# Altium PCB PCB1.PcbDoc
Units mm, origin at the board's own origin, x right, y up, seen from the top; angles counter-clockwise.
Board outline 73.81 x 86.51 mm, 2 copper layers (Top Layer, Bottom Layer); 88 components, 137 nets, 477 pads, 306 vias.
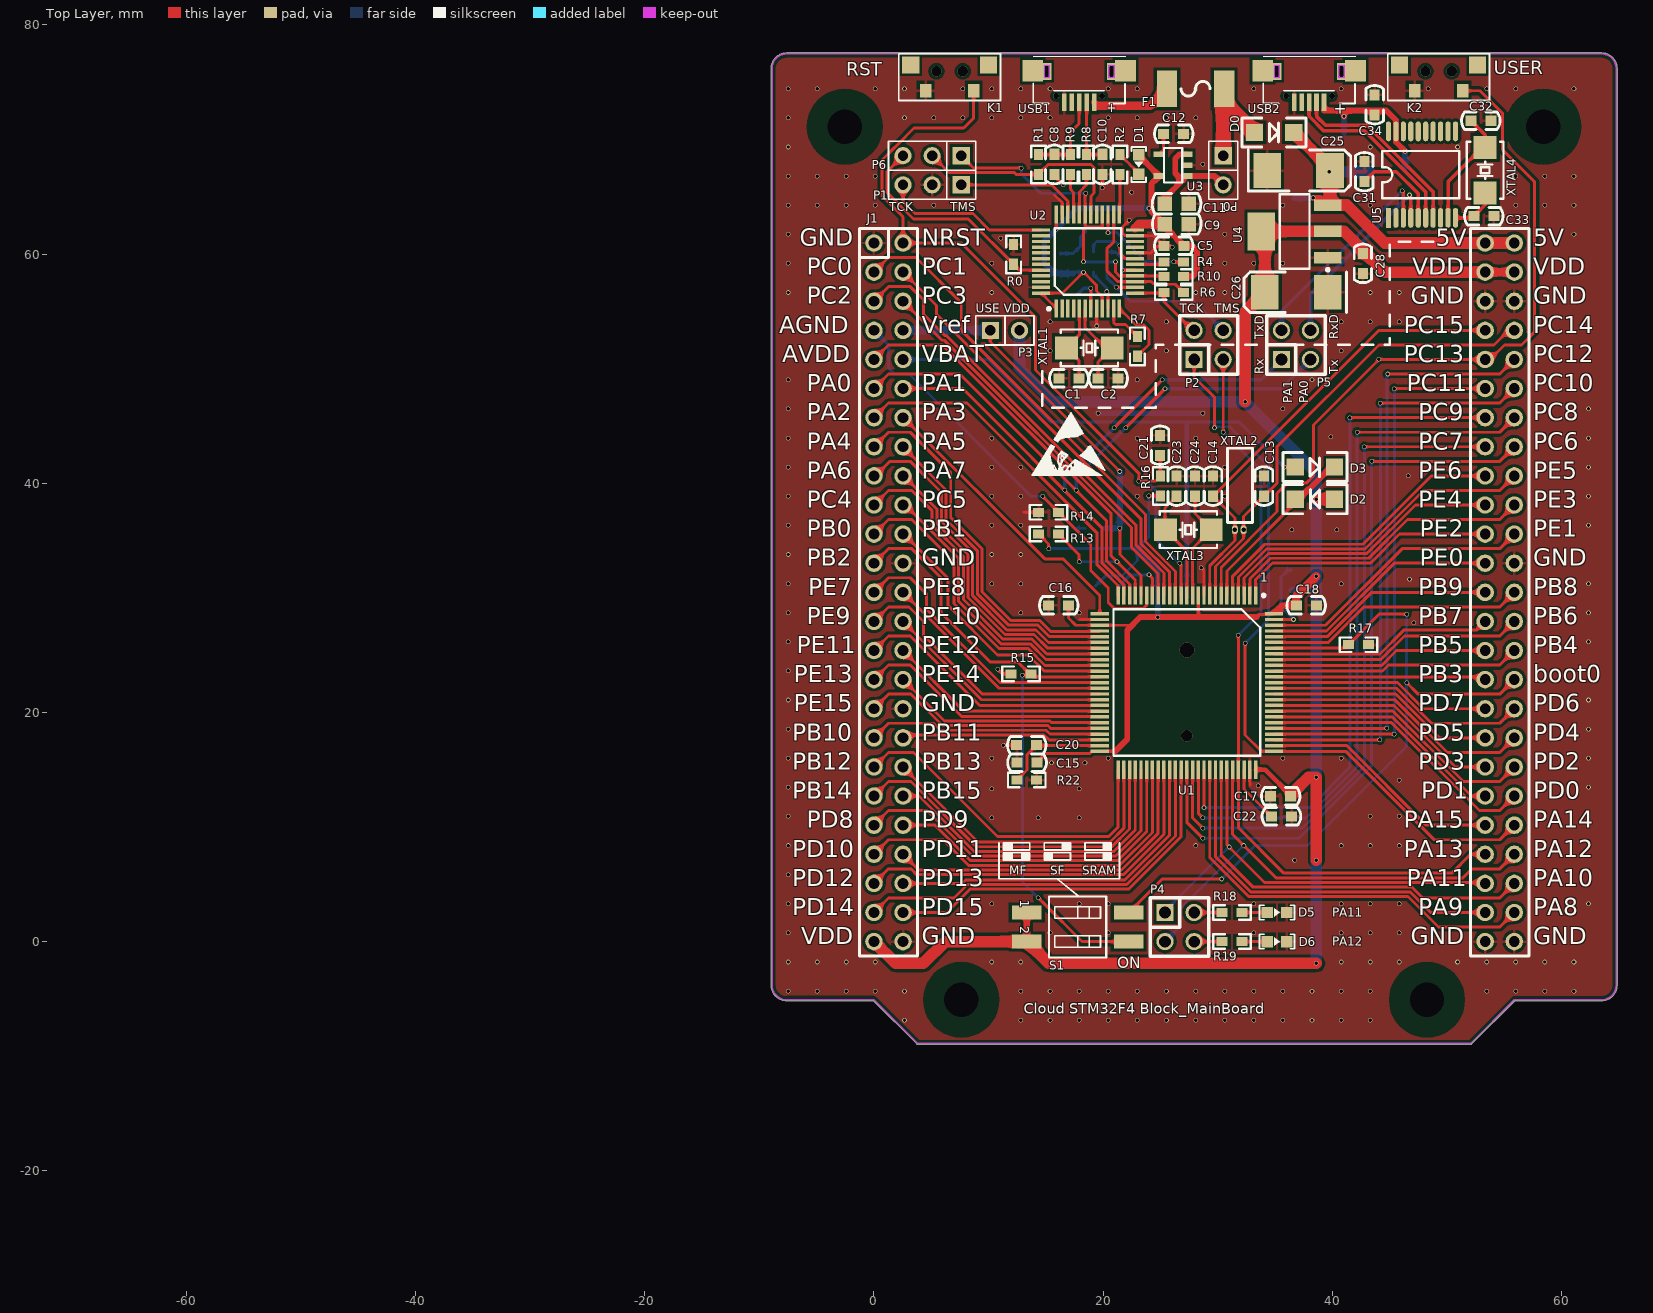
[diagram p0: Top Layer view]
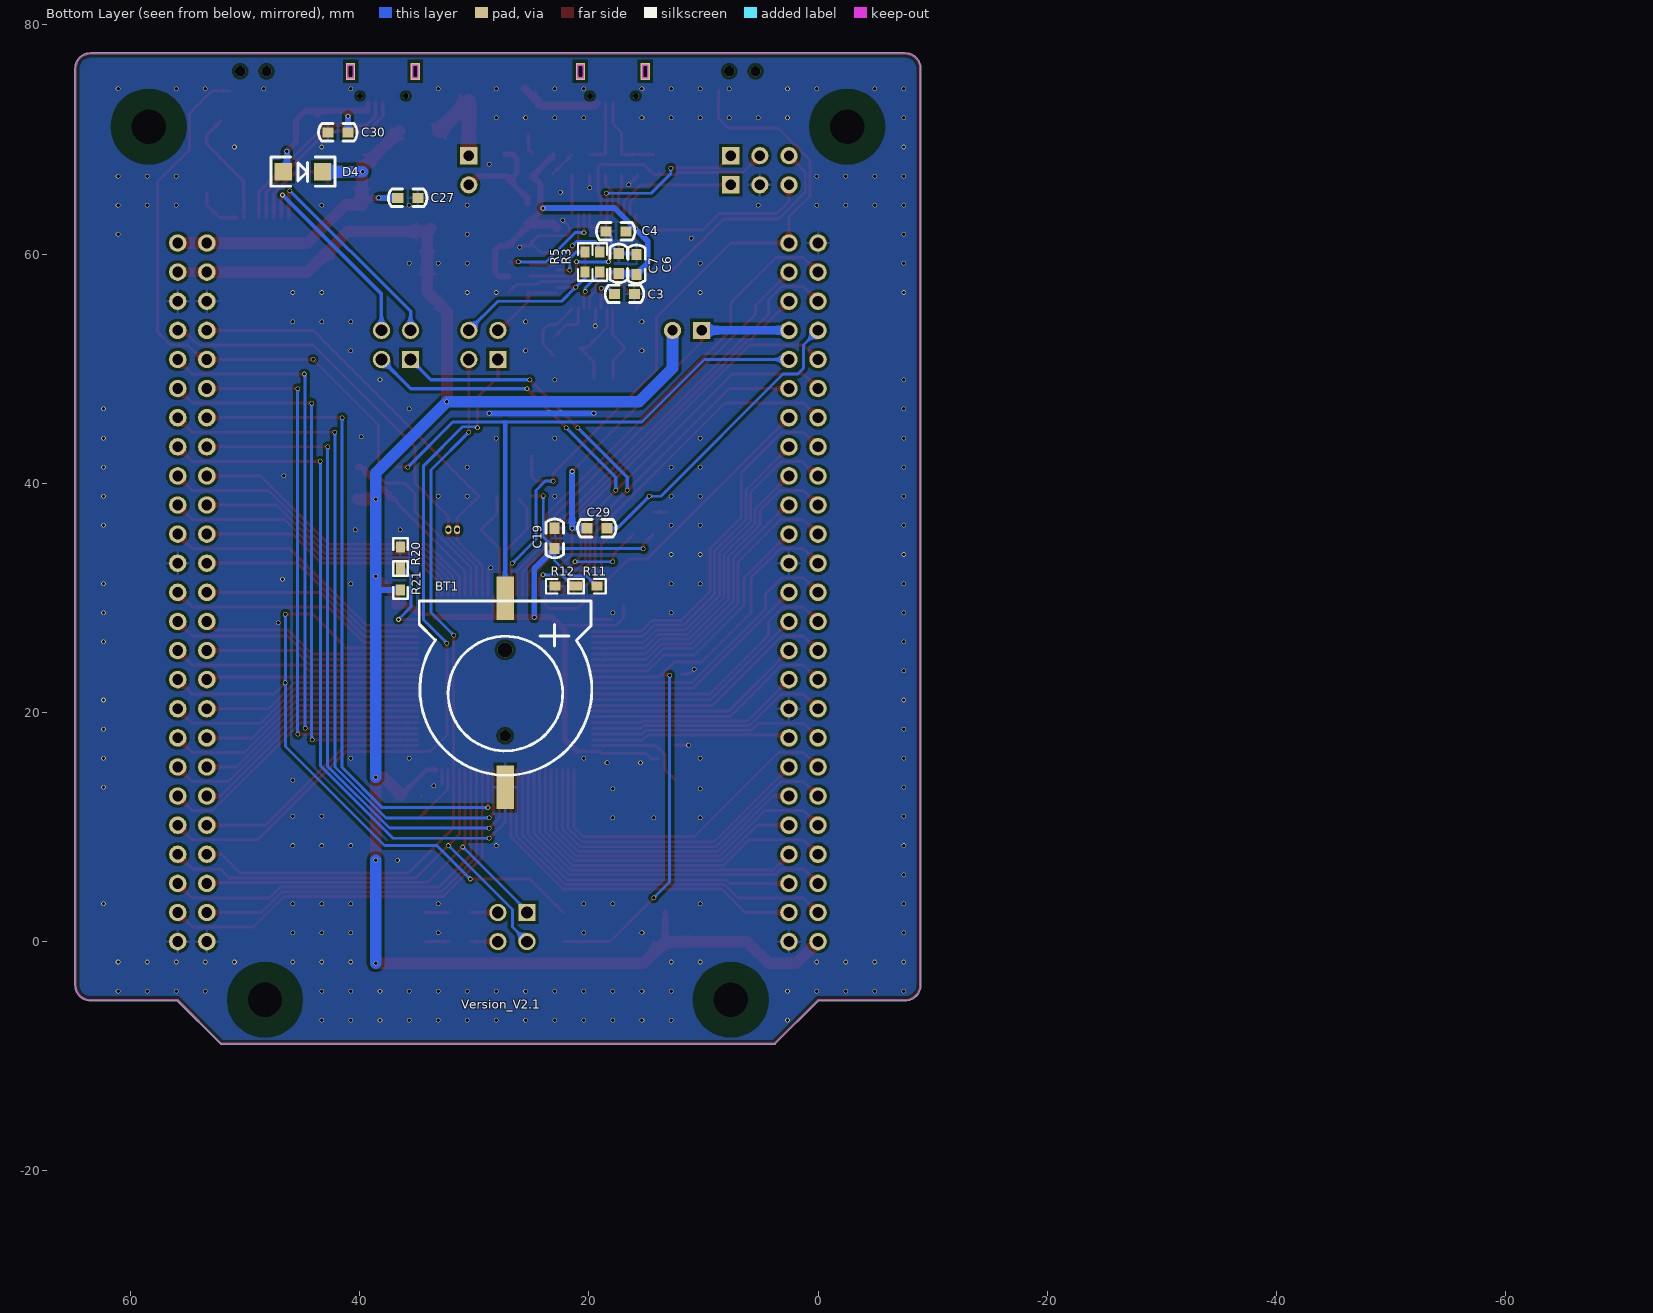
[diagram p1: Bottom Layer view, seen from below]

## Layer stack, top to bottom
Top Solder: solder mask 0.0102, Solder Resist, Dk 3.5
Top Layer: signal copper 0.0356
Dielectric 1: dielectric 0.32, FR-4, Dk 4.8
Bottom Layer: signal copper 0.0356
Bottom Solder: solder mask 0.0102, Solder Resist, Dk 3.5

## Board outline
-8.967,-3.811 cw(c-7.62,-3.81) -8.967,-3.81 cw(c-8.89,-3.81) -8.967,-3.81 -8.967,76.2 cw(c-7.62,76.2) -7.621,77.547 cw(c-7.62,77.47) -7.62,77.547 63.5,77.547 cw(c63.5,76.2) 64.847,76.202 cw(c63.5,76.2) 64.847,76.2 ccw(c64.77,76.2) 64.847,76.202 64.847,76.2 64.847,-3.81 cw(c64.77,-3.81) 64.847,-3.812 ccw(c63.5,-3.81) 64.847,-3.81 64.847,-3.812 cw(c63.5,-3.81) 63.501,-5.157 cw(c63.5,-5.08) 63.5,-5.157 55.912,-5.157 52.124,-8.944 cw(c52.07,-8.89) 52.07,-8.967 3.81,-8.967 cw(c3.81,-8.89) 3.756,-8.944 -0.032,-5.157 -7.62,-5.157 cw(c-7.62,-3.81)

## Design rules (kind name [scope] priority, off if disabled: settings)
Clearance Clearance_HolePad [HasPad('Free-0')] p1: gap=1.8
Clearance Clearance_of_Poly [InPolygon] p2: gap=0.254
Clearance [All] p3: gap=0.152
ComponentClearance [All] p1 off: gap=0.254 collisioncheckmode=3 verticalgap=0.254 showdistances=FALSE
Height [All] p1 off: minheight=0 maxheight=25.4 prefheight=12.7
HoleSize [All] p1: absolutevalues=TRUE maxlimit=100 minlimit=0.3 maxpercent=80.000 minpercent=20.000
HoleToHoleClearance [All] p1 off: gap=0.254 allowstackedmicrovias=TRUE
LayerPairs [All] p1 off: enforce=TRUE
MinimumSolderMaskSliver [All] p1 off: minsoldermaskwidth=0.254
PolygonConnect PolygonConnect_novia [IsVia] p1: connectstyle=Direct reliefconductorwidth=0.254 reliefentries=4 polygonreliefangle="90 Angle" airgapwidth=0.254
PolygonConnect [All] p2: connectstyle=Relief reliefconductorwidth=0.254 reliefentries=4 polygonreliefangle="90 Angle" airgapwidth=0.254
RoutingVias [All] p1: holewidth=0.4 width=0.6 viastyle="Through Hole" minholewidth=0.3 minwidth=0.4 maxholewidth=100 maxwidth=100
SilkToBoardRegionClearance [All] p1 off:
SilkToSilkClearance [All] p1 off: silktosilkclearance=0.254
SilkToSolderMaskClearance [IsPad] p1 off: minsilkscreentomaskgap=0.254 clearancetoexposedcopper=TRUE
SolderMaskExpansion [All] p1: expansion=0.102
Width [All] p1: maxlimit=2.54 minlimit=0.152 preferedwidth=0.254
21 further rules are at their usual default settings.

## Components (designator, comment, footprint, x,y, rotation, side; value= is the part's Value field where it differs from the comment)
BT1 "Battery" CR1220 27.305,21.463 r270 bottom
C1 "Cap" C-0603 17.907,49.149 r180 top
C2 "Cap" C-0603 19.558,49.149 r0 top
C3 "Cap" C-0603 17.78,56.515 r180 bottom
C4 "Cap" C-0603 16.764,61.976 r0 bottom
C5 "Cap" C-0603 27.051,60.706 r180 top
C6 "Cap" C-0603 15.841,58.221 r90 bottom
C7 "Cap" C-0603 17.399,58.293 r90 bottom
C8 "Cap" C-0603 15.748,68.707 r270 top
C9 "Cap" C-0805 26.416,62.611 r0 top
C10 "Cap" C-0603 19.939,68.707 r270 top
C11 "Cap" C-0805 26.416,64.389 r180 top
C12 "Cap" C-0603 25.273,70.485 r0 top
C13 "Cap" C-0603 34.036,38.862 r90 top
C14 "Cap" C-0603 29.591,38.862 r90 top
C15 "Cap" C-0603 12.471,15.621 r0 top
C16 "Cap" C-0603 15.24,29.337 r0 top
C17 "Cap" C-0603 34.608,12.681 r0 top
C18 "Cap" C-0603 38.608,29.337 r180 top
C19 "Cap" C-0603 22.987,36.068 r270 bottom
C20 "Cap" C-0603 12.446,17.145 r0 top
C21 "Cap" C-0603 24.968,42.418 r90 top
C22 "Cap" C-0603 36.449,10.922 r180 top
C23 "Cap" C-0603 26.416,38.862 r90 top
C24 "Cap" C-0603 28.016,38.862 r90 top
C25 "Cap-Pol-ES" C_TAN_C_6032 36.957,67.31 r180 top
C26 "Cap-Pol-ES" C_TAN_C_6032 36.957,56.642 r0 top
C27 "Cap" C-0603 34.925,64.897 r0 bottom
C28 "Cap" C-0603 42.672,58.293 r90 top
C29 "Cap" C-0603 18.415,36.068 r0 bottom
C30 "Cap" C-0603 41.021,70.612 r0 bottom
C31 "Cap" C-0603 42.799,68.072 r270 top
C32 "Cap" C-0603 53.848,71.628 r180 top
C33 "Cap" C-0603 54.102,63.309 r180 top
C34 "Cap" C-0603 43.688,72.136 r90 top
D0 "SS14" SOD123 34.925,70.612 r180 top
D1 "LED" 0603LED_RED 23.114,67.818 r270 top
D2 "SS14" SOD123 38.481,38.608 r0 top
D3 "SS14" SOD123 38.481,41.402 r180 top
D4 "SS14" SOD123 44.958,67.183 r0 bottom
D5 "LED" 0603LED_GREEN 35.179,2.54 r0 top
D6 "LED" 0603LED_YELLOW 35.179,0 r0 top
F1 "自恢复保险丝" F-1812 28.067,74.422 r0 top
J1 "CloudF4Block_Connector_MainPin" CLOUDF4BLOCKCONNECTOR 0,60.96 r0 top locked
K1 "BUTTON_2PIN" TS017 6.604,75.946 r0 top
K2 "BUTTON_2PIN" TS017 49.276,75.946 r0 top
P0 "排针1X2" IDC1x2-2.54 30.48,68.58 r270 top
P1 "排针1X3" IDC1x3-2.54 7.62,66.04 r180 top
P2 "排针2X2" IDC2x2-2.54 27.94,50.8 r0 top
P3 "排针1X2" IDC1x2-2.54 10.16,53.34 r0 top
P4 "排针2X2" IDC2x2-2.54 25.4,2.54 r270 top
P5 "排针2X2" IDC2x2-2.54 35.56,50.8 r0 top
P6 "排针1X3" IDC1x3-2.54 7.62,68.58 r180 top
R0 "RES" R-0603 12.192,59.969 r90 top
R1 "RES" R-0603 14.351,67.818 r270 top
R2 "RES" R-0603 21.463,67.818 r270 top
R3 "RES" R-0603 19.05,59.309 r270 bottom
R4 "RES" R-0603 26.162,59.309 r0 top
R5 "RES" R-0603 20.32,59.309 r90 bottom
R6 "RES" R-0603 26.162,56.642 r0 top
R7 "RES" R-0603 22.987,51.943 r90 top
R8 "RES" R-0603 18.542,67.818 r270 top
R9 "RES" R-0603 17.145,67.818 r270 top
R10 "RES" R-0603 26.162,58.039 r0 top
R11 "RES" R-0603 20.168,31.013 r180 bottom
R12 "RES" R-0603 22.098,31.013 r0 bottom
R13 "RES" R-0603 15.24,35.56 r0 top
R14 "RES" R-0603 15.24,37.465 r0 top
R15 "RES" R-0603 12.827,23.368 r0 top
R16 "RES" R-0603 24.994,39.751 r90 top
R17 "RES" R-0603 42.291,25.908 r180 top
R18 "RES" R-0603 31.242,2.54 r0 top
R19 "RES" R-0603 31.242,0 r0 top
R20 "RES" R-0603 36.449,33.553 r90 bottom
R21 "RES" R-0603 36.449,31.547 r270 bottom
R22 "RES" R-0603 13.335,14.097 r0 top
S1 "SW DIP-2" KEY-DIP-2-SMD 17.78,1.27 r270 top
U1 "STM32F407V" TQFP100 27.305,22.606 r270 top
U2 "STM32F103C" TQFP48 18.669,59.309 r90 top
U3 "RT9193" SOT23-5 27.305,66.802 r90 top
U4 "AMS1117-3.3" AMS1117 36.703,61.976 r180 top
U5 "CH340T" SSOP20 47.823,66.929 r90 top
USB1 "USB_micro" USB_Micro 17.907,75.438 r180 top
USB2 "USB_micro" USB_Micro 37.973,75.438 r180 top
XTAL1 "无源晶振_2Pin" XTAL-5032-2P 18.796,51.816 r0 top
XTAL2 "无源晶振_2Pin" "XTAL_2X6 - SM" 32.639,35.941 r90 top
XTAL3 "无源晶振_2Pin" XTAL-5032-2P 27.432,35.941 r180 top
XTAL4 "无源晶振_2Pin" XTAL-5032-2P 53.34,67.31 r90 top

## Footprints (in the part's own frame and the unit in brackets; to place one, negate y for a bottom-side part, rotate by r counter-clockwise, add the part's x,y. Pads: shape width x height; smd on the part's side, far side on the other; paste and mask are expansions set on the pad)
0603LED_GREEN [mm]
  rect 1x1 smd paste+0 mask+0: 1(-0.85,0) 2(0.85,0)
  silkscreen extent -1.52,-0.64 1.52,0.64, body extent -0.92,-0.53 1.09,0.53, height 0.46
0603LED_RED [mm]
  rect 1x1 smd paste+0 mask+0: 1(-0.85,0) 2(0.85,0)
  silkscreen extent -1.52,-0.64 1.52,0.64, body extent -0.92,-0.53 1.09,0.53, height 0.46
0603LED_YELLOW [mm]
  rect 1x1 smd paste+0 mask+0: 1(-0.85,0) 2(0.85,0)
  silkscreen extent -1.52,-0.64 1.52,0.64, body extent -0.92,-0.53 1.09,0.53, height 0.46
AMS1117 [mm] "SOT223, 4-Leads, Body 6.5x7.3mm (max), Pitch 2.30mm, IPC Medium Density"
  rect 2.4x1 smd: 1(-2.9,2.3) 2(-2.9,0) 3(-2.9,-2.3)
  rect 2.4x3.3 smd: 2(2.9,0)
  silkscreen extent -3.03,-3.25 1.3,3.47, body extent -3.42,-3.25 3.67,3.25, height 1.65
C-0603 [mil]
  rect 38x35 smd: 1(0,0) 2(69,0)
  silkscreen extent -31,-30 101,30, body extent 4,-16 67,16, height 12
C-0805 [mm]
  rect 1.27x1.27 smd: 1(-1.05,0.001) 2(1.05,-0.001)
  silkscreen extent -2.12,-0.89 2.13,0.89, body extent -1.19,-0.62 1.32,0.62, height 0.79
C_TAN_C_6032 [mil] "C型"
  rect 95x120 smd: 1(-112,1) 2(104,1)
  silkscreen extent -183,-69 169,71, body extent -121,-62 115,64, height 102
CLOUDF4BLOCKCONNECTOR [mil]
  round 60 hole 37: 1(0,0) 2(100,0) 3(0,-100) 4(100,-100) 5(0,-200) 6(100,-200) 7(0,-300) 8(100,-300) 9(0,-400) 10(100,-400) 11(0,-500) 12(100,-500) 13(0,-600) 14(100,-600) 15(0,-700) 16(100,-700) 17(0,-800) 18(100,-800) 19(0,-900) 20(100,-900) 21(0,-1000) 22(100,-1000) 23(0,-1100) 24(100,-1100) 25(0,-1200) 26(100,-1200) 27(0,-1300) 28(100,-1300) 29(0,-1400) 30(100,-1400) 31(0,-1500) 32(100,-1500) 33(0,-1600) 34(100,-1600) 35(0,-1700) 36(100,-1700) 37(0,-1800) 38(100,-1800) 39(0,-1900) 40(100,-1900) 41(0,-2000) 42(100,-2000) 43(0,-2100) 44(100,-2100) 45(0,-2200) 46(100,-2200) 47(0,-2300) 48(100,-2300) 49(0,-2400) 50(100,-2400) 51(2100,0) 52(2200,0) 53(2100,-100) 54(2200,-100) 55(2100,-200) 56(2200,-200) 57(2100,-300) 58(2200,-300) 59(2100,-400) 60(2200,-400) 61(2100,-500) 62(2200,-500) 63(2100,-600) 64(2200,-600) 65(2100,-700) 66(2200,-700) 67(2100,-800) 68(2200,-800) 69(2100,-900) 70(2200,-900) 71(2100,-1000) 72(2200,-1000) 73(2100,-1100) 74(2200,-1100) 75(2100,-1200) 76(2200,-1200) 77(2100,-1300) 78(2200,-1300) 79(2100,-1400) 80(2200,-1400) 81(2100,-1500) 82(2200,-1500) 83(2100,-1600) 84(2200,-1600) 85(2100,-1700) 86(2200,-1700) 87(2100,-1800) 88(2200,-1800) 89(2100,-1900) 90(2200,-1900) 91(2100,-2000) 92(2200,-2000) 93(2100,-2100) 94(2200,-2100) 95(2100,-2200) 96(2200,-2200) 97(2100,-2300) 98(2200,-2300) 99(2100,-2400) 100(2200,-2400)
  silkscreen extent -50,-2450 2250,50, body extent -50,-2460 2250,50, height 329
CR1220 [mil]
  rect 150x60 smd: 1(-335,0) 2(315,0)
  silkscreen extent -325,-295 273,298, body extent -385,-295 343,295, height 159
F-1812 [mm]
  rect 1.78x3.2 smd: 1(-2.49,0) 2(2.49,0)
  silkscreen extent -1.27,-0.63 1.27,0.63, body extent -2.41,-1.61 2.41,1.61, height 1.32
IDC1x2-2.54 [mm]
  rect 1.5x1.5 hole 0.9: 1(0,0)
  round 1.5 hole 0.9: 2(2.54,0)
  silkscreen extent -1.27,-1.27 3.81,1.27, body extent -1.27,-1.25 3.77,1.25, height 8.24
IDC1x3-2.54 [mm]
  rect 1.5x1.5 hole 0.9: 1(0,0)
  round 1.5 hole 0.9: 2(2.54,0) 3(5.08,0)
  silkscreen extent -1.27,-1.27 6.35,1.27, body extent -1.27,-1.27 6.31,1.23, height 8.24
IDC2x2-2.54 [mm]
  rect 1.5x1.5 hole 1.016: 1(0,0)
  round 1.5 hole 1.016: 2(0,2.54) 3(2.54,0) 4(2.54,2.54)
  silkscreen extent -1.27,-1.27 3.81,3.81, body extent -1.27,-1.25 3.77,3.79, height 8.25
KEY-DIP-2-SMD [mm] "DIP Switch; 16 Leads"
  rect 1.2x2.6 smd: 1(-1.27,-4.45) 2(1.27,-4.45) 3(1.27,4.45) 4(-1.27,4.45)
  silkscreen extent -2.67,-2.5 2.67,2.5, body extent -2.54,-3.81 2.54,3.81, height 4.19
R-0603 [mil] "1/10W"
  rect 38x31 smd: 1(-34,0) 2(34,0)
  silkscreen extent -64,-25 64,25, body extent -31,-16 32,16, height 18
SOD123 [mm] "1206"
  rect 1.5x1.5 smd: 1(1.714,0) 2(-1.714,0)
  silkscreen extent -2.79,-1.27 2.79,1.27, body extent -1.92,-0.83 1.93,0.87, height 1.42
SOT23-5 [mm]
  rect 0.5x1 smd: 1(0,0) 2(0.95,0) 3(1.9,0) 4(1.9,2.4) 5(0,2.4)
  silkscreen extent -0.55,0.4 2.45,2, body extent -0.5,-0.2 2.4,2.6, height 1.09
SSOP20 [mm]
  rect 1.727x0.45 smd: 1(-3.773,2.925)
  oval 1.727x0.45 smd: 2(-3.773,2.275) 3(-3.773,1.625) 4(-3.773,0.975) 5(-3.773,0.325) 6(-3.773,-0.325) 7(-3.773,-0.975) 8(-3.773,-1.625) 9(-3.773,-2.275) 10(-3.773,-2.925) 11(3.773,-2.925) 12(3.773,-2.275) 13(3.773,-1.625) 14(3.773,-0.975) 15(3.773,-0.325) 16(3.773,0.325) 17(3.773,0.975) 18(3.773,1.625) 19(3.773,2.275) 20(3.773,2.925)
  silkscreen extent -2.06,-3.25 2.06,3.46, body extent -3.95,-3.65 3.95,3.65, height 1.79
TQFP48 [mm]
  rect 1.6x0.3 smd: 1(-4.064,2.743) 2(-4.064,2.243) 3(-4.064,1.743) 4(-4.064,1.243) 5(-4.064,0.743) 6(-4.064,0.243) 7(-4.064,-0.257) 8(-4.064,-0.757) 9(-4.064,-1.257) 10(-4.064,-1.757) 11(-4.064,-2.257) 12(-4.064,-2.757) 25(4.136,-2.757) 26(4.136,-2.257) 27(4.136,-1.757) 28(4.136,-1.257) 29(4.136,-0.757) 30(4.136,-0.257) 31(4.136,0.243) 32(4.136,0.743) 33(4.136,1.243) 34(4.136,1.743) 35(4.136,2.243) 36(4.136,2.743)
  rect 0.3x1.6 smd: 13(-2.714,-4.107) 14(-2.214,-4.107) 15(-1.714,-4.107) 16(-1.214,-4.107) 17(-0.714,-4.107) 18(-0.214,-4.107) 19(0.286,-4.107) 20(0.786,-4.107) 21(1.286,-4.107) 22(1.786,-4.107) 23(2.286,-4.107) 24(2.786,-4.107) 37(2.786,4.093) 38(2.286,4.093) 39(1.786,4.093) 40(1.286,4.093) 41(0.786,4.093) 42(0.286,4.093) 43(-0.214,4.093) 44(-0.714,4.093) 45(-1.214,4.093) 46(-1.714,4.093) 47(-2.214,4.093) 48(-2.714,4.093)
  silkscreen extent -4.22,-2.91 2.94,3.53, body extent -4.48,-4.51 4.53,4.51, height 1.1
TQFP100 [mm]
  rect 1.6x0.3 smd: 1(-7.6,6) 2(-7.6,5.5) 3(-7.6,5) 4(-7.6,4.5) 5(-7.6,4) 6(-7.6,3.5) 7(-7.6,3) 8(-7.6,2.5) 9(-7.6,2) 10(-7.6,1.5) 11(-7.6,1) 12(-7.6,0.5) 13(-7.6,0) 14(-7.6,-0.5) 15(-7.6,-1) 16(-7.6,-1.5) 17(-7.6,-2) 18(-7.6,-2.5) 19(-7.6,-3) 20(-7.6,-3.5) 21(-7.6,-4) 22(-7.6,-4.5) 23(-7.6,-5) 24(-7.6,-5.5) 25(-7.6,-6) 51(7.6,-6) 52(7.6,-5.5) 53(7.6,-5) 54(7.6,-4.5) 55(7.6,-4) 56(7.6,-3.5) 57(7.6,-3) 58(7.6,-2.5) 59(7.6,-2) 60(7.6,-1.5) 61(7.6,-1) 62(7.6,-0.5) 63(7.6,0) 64(7.6,0.5) 65(7.6,1) 66(7.6,1.5) 67(7.6,2) 68(7.6,2.5) 69(7.6,3) 70(7.6,3.5) 71(7.6,4) 72(7.6,4.5) 73(7.6,5) 74(7.6,5.5) 75(7.6,6)
  rect 0.3x1.6 smd: 26(-6,-7.6) 27(-5.5,-7.6) 28(-5,-7.6) 29(-4.5,-7.6) 30(-4,-7.6) 31(-3.5,-7.6) 32(-3,-7.6) 33(-2.5,-7.6) 34(-2,-7.6) 35(-1.5,-7.6) 36(-1,-7.6) 37(-0.5,-7.6) 38(0,-7.6) 39(0.5,-7.6) 40(1,-7.6) 41(1.5,-7.6) 42(2,-7.6) 43(2.5,-7.6) 44(3,-7.6) 45(3.5,-7.6) 46(4,-7.6) 47(4.5,-7.6) 48(5,-7.6) 49(5.5,-7.6) 50(6,-7.6) 76(6,7.6) 77(5.5,7.6) 78(5,7.6) 79(4.5,7.6) 80(4,7.6) 81(3.5,7.6) 82(3,7.6) 83(2.5,7.6) 84(2,7.6) 85(1.5,7.6) 86(1,7.6) 87(0.5,7.6) 88(0,7.6) 89(-0.5,7.6) 90(-1,7.6) 91(-1.5,7.6) 92(-2,7.6) 93(-2.5,7.6) 94(-3,7.6) 95(-3.5,7.6) 96(-4,7.6) 97(-4.5,7.6) 98(-5,7.6) 99(-5.5,7.6) 100(-6,7.6)
  silkscreen extent -7.72,-6.4 6.4,6.83, body extent -7.95,-8.03 8.05,7.97, height 1.05
TS017 [mm]
  rect 1x1.2 smd: 1(-2.1,-1.7) 2(2.1,-1.7)
  rect 1.5x1.5 smd: 3(-3.4,0.55) 3(3.4,0.55)
  silkscreen extent -4.44,-2.54 4.44,1.52, body extent -3.9,-1.65 3.9,1.95, height 3.5
USB_Micro [mm]
  rect 0.4x1.55 smd: 1(-1.3,2.2) 2(-0.65,2.2) 3(0,2.2) 4(0.65,2.2) 5(1.3,2.2)
  rect 1.8x1.9 smd: 6(-4.05,-0.55) 6(4.05,-0.55)
  rect 0.8x1.5 hole 0.4 slot 1 at 90 deg: 6(-2.825,-0.5) 6(2.825,-0.5)
  round 0.5 hole 0.5 unplated: ""(-2,1.65) ""(2,1.65)
  Keep-Out Layer lines w0.127: 3.054,0.075 2.596,0.075 2.596,-1.043 3.054,-1.043 3.054,0.075 ; -2.596,0.075 -3.054,0.075 -3.054,-1.043 -2.596,-1.043 -2.596,0.075
  silkscreen extent -4.05,-1.8 4,2.3, body extent -3.99,-3.03 3.99,2.4, height 2.74
XTAL-5032-2P [mm]
  rect 2x2 smd: 1(-2,0) 2(2,0)
  silkscreen extent -2.5,-1.6 2.5,1.6, body extent -2.5,-1.57 2.5,1.63, height 1.3
"XTAL_2X6 - SM" [mil]
  oval 30x20 hole 15: 1(0,15) 2(0,45)
  silkscreen extent 25,-15 280,70, body extent -5,-9 276,69, height 79

## Part data
BT1: "CR1220纽扣电池座"
C1 C2 C3 C4 C5 C6 C7 C8 C10 C12 C13 C14 C15 C16 C17 C18 C19 C20 C21 C22 C23 C24 C27 C28 C29 C30 C31 C32 C33 C34: "贴片电容0603"
C9 C11: "贴片电容0805"
C25 C26: "钽电容C型"
D0 D2 D3 D4: library part "D Schottky", "1N5819肖特基SDO123"
D1 D6: "红色LED 0603"
D5: "绿色LED 0603"
F1: "1.5A自恢复保险丝 1812"
J1: "25X2双排排母插座 2个"
K1 K2: "TS-017贴片侧边按键"
R0 R1 R2 R3 R4 R5 R6 R7 R8 R9 R10 R11 R12 R13 R14 R15 R16 R17 R18 R19 R20 R21 R22: "贴片电阻0603"
S1: "2X2编码开关"
U1: "STM32单片机100引脚"
U2: "STM32F103C8T6"
U3: "3.3V LDO"
U5: "CH340T USB转串口"
USB1 USB2: "MicroUSB贴片座"
XTAL1 XTAL3 XTAL4: "无源晶振5032"
XTAL2: "无源晶振32768圆柱"

## Free pads (board coordinates)
  round 0 hole 3: 0(-2.54,71.12) 0(7.62,-5.08) 0(48.26,-5.08) 0(58.42,71.12)

## Via types
v1: diameter 0.4, hole 0.3, Top Layer to Bottom Layer, 300 vias
v2: diameter 0.9, hole 0.9, Top Layer to Bottom Layer, 4 vias
v3: diameter 1.3, hole 1.3, Top Layer to Bottom Layer, 1 vias
v4: diameter 1, hole 1, Top Layer to Bottom Layer, 1 vias
